# KiCad board RadCheck-SDRAM.kicad_pcb (continued)
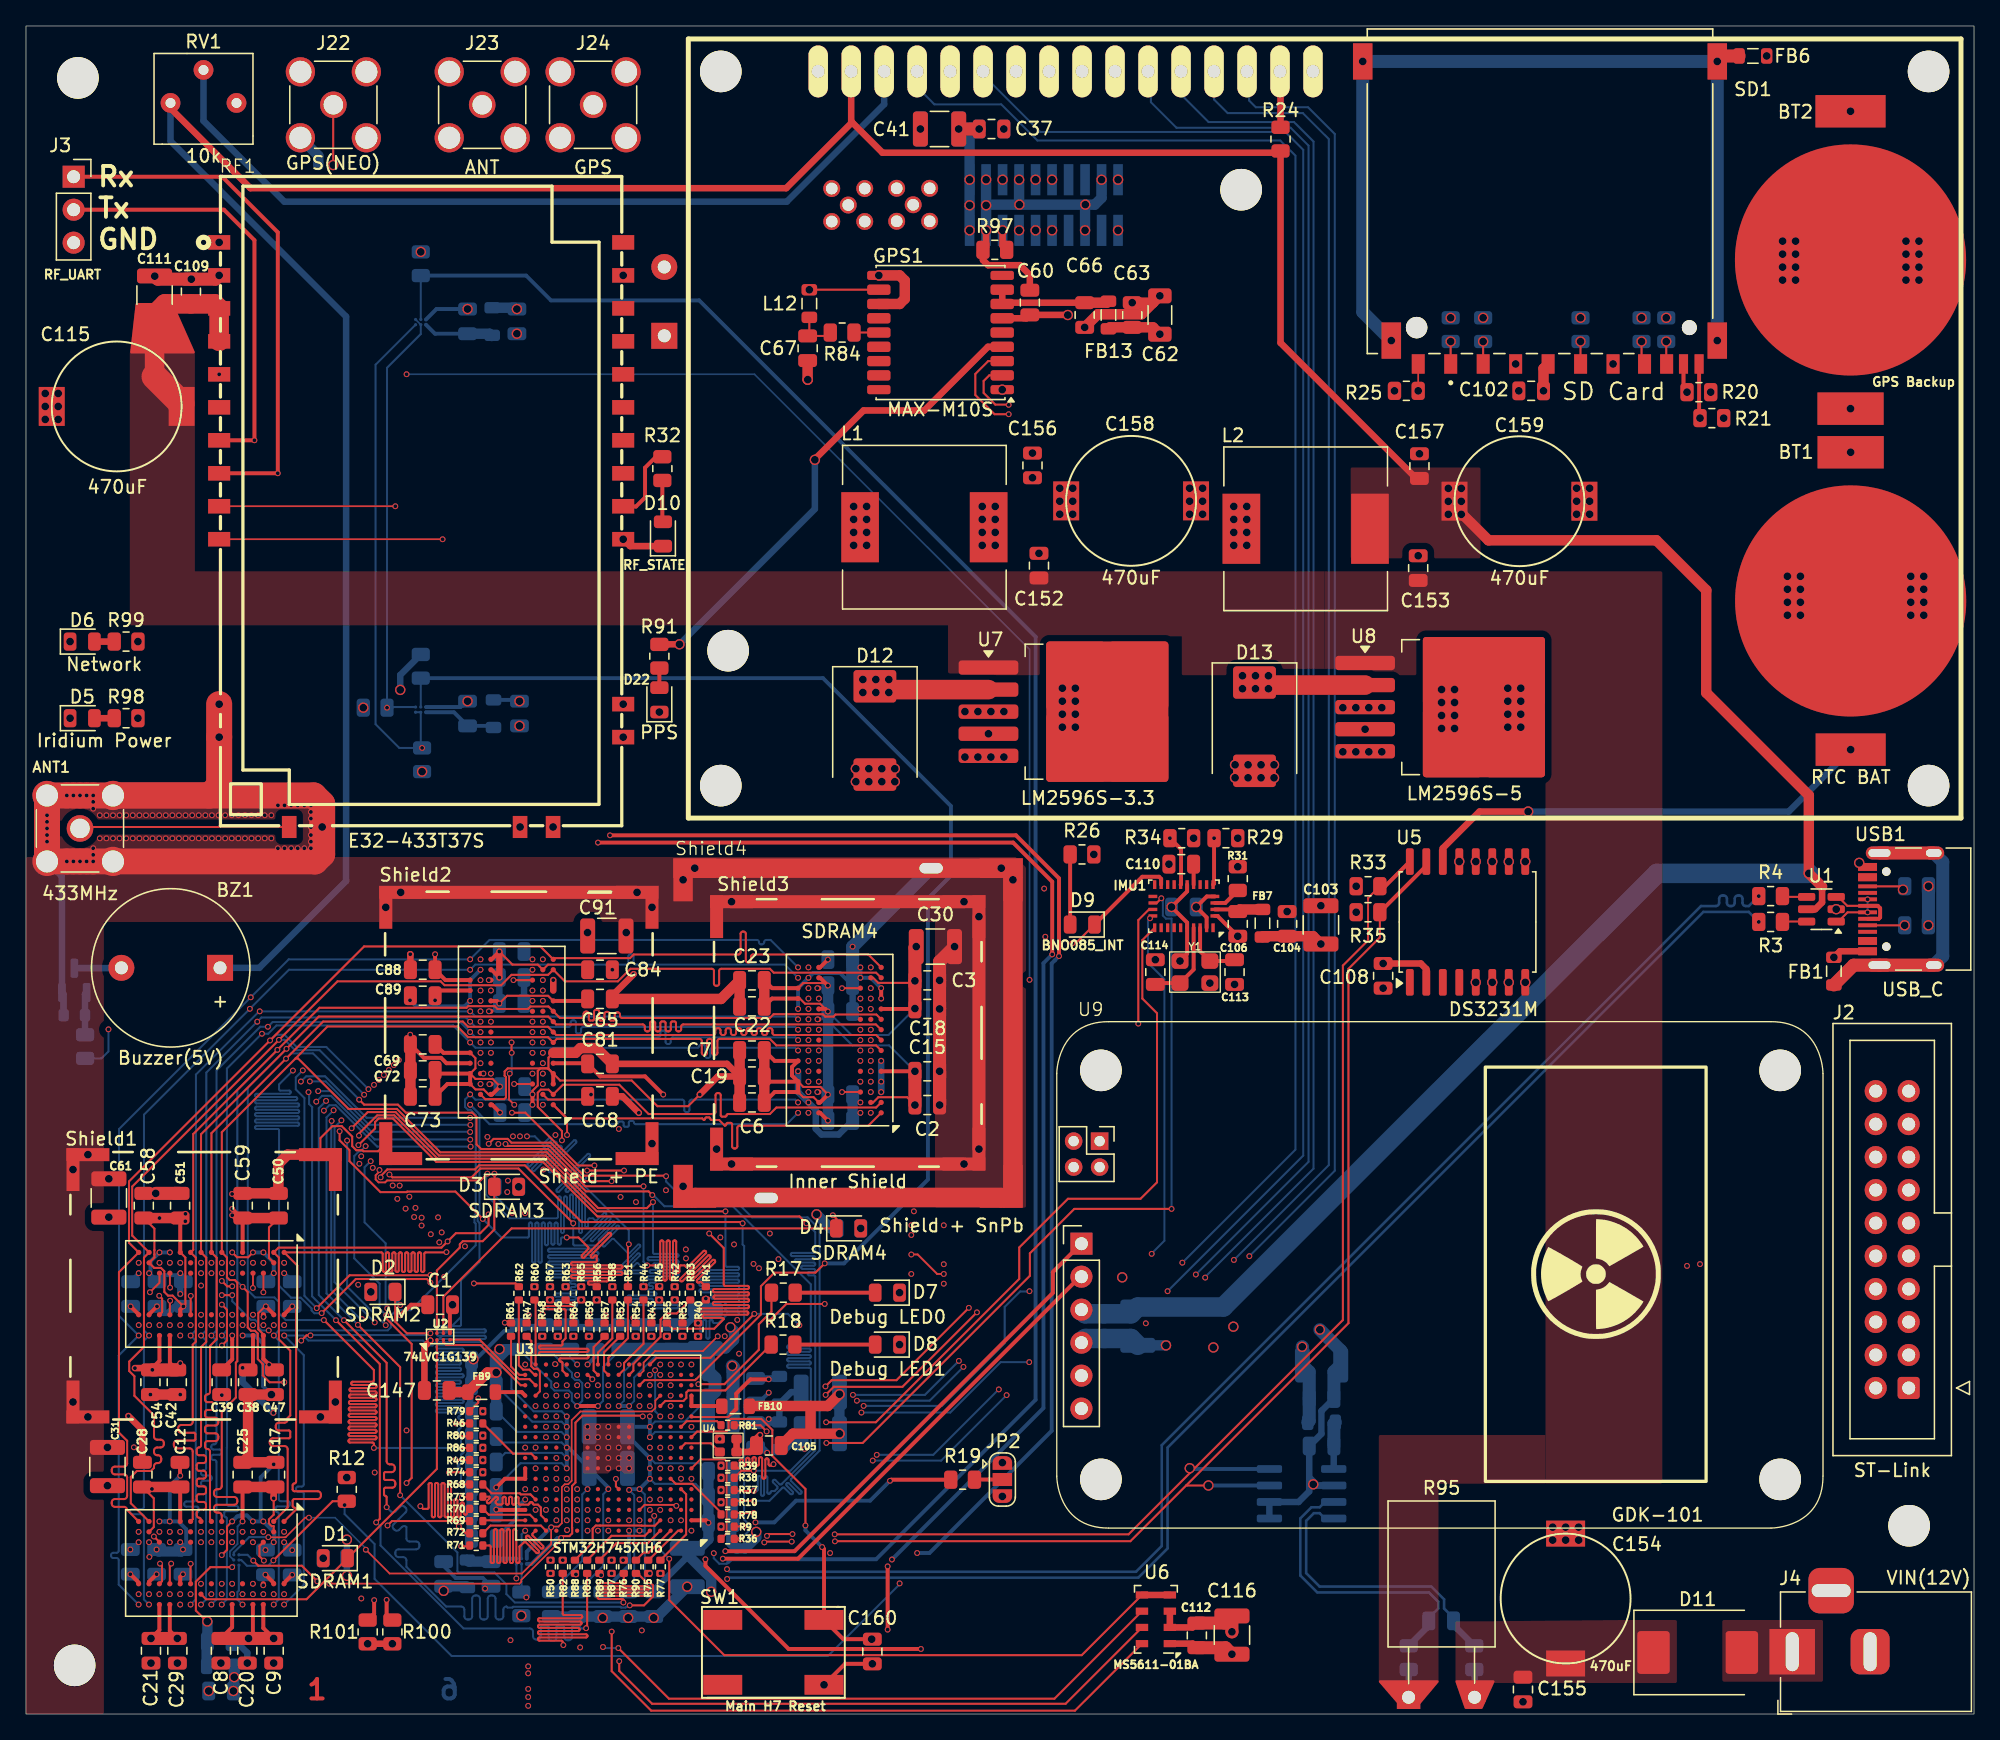
[diagram p0: board, top side]
## Routing (per net, layer and track width the routed paths; a pad name or vN(x,y) marks a point on that pad's centre or on a via; arc(x,y) is an arc through that point) (continued)
SDRAM_D15: length 173.8
  Top w0.157: v1(34.49,33.16) 37.7,33.16 R62.2 ; v1(22.77,30.87) 25.39,33.5 30.87,33.5 v1(31.14,33.23)
  In1.Cu w0.127: 47.2,58.12 v1(39.8,58.12) 39.42,57.74 28.74,57.74 v1(20.56,49.55) 8.68,37.68 v1(8.68,34.75) 8.3,34.37 8.3,33.79 8.52,33.57 8.52,30.33 8.01,29.82 8.01,26.48 8.71,25.79 8.71,21.85 7.68,20.82 ; v1(8.67,14.03) 8.03,14.68 ; v1(65.05,57.5) 64.67,57.88 62.07,57.88 61.91,57.72 60.83,57.72 60.43,58.12 53.99,58.12
  In1.Cu w0.129: 7.68,20.82 7.68,16.11 arc(7.61,15.94) 7.44,15.87 6.04,15.87 arc(5.87,15.8) 5.8,15.63 5.8,15.51 arc(5.87,15.34) 6.04,15.27 7.44,15.27 arc(7.61,15.2) 7.68,15.03 8.03,14.68 ; 47.2,58.12 52.87,58.12 arc(52.98,58.17) 53.03,58.28 53.03,59.35 arc(53.07,59.47) 53.19,59.51 53.27,59.51 arc(53.38,59.47) 53.43,59.35 53.43,57.34 arc(53.47,57.22) 53.59,57.18 53.67,57.18 arc(53.78,57.22) 53.83,57.34 53.83,57.96 arc(53.87,58.07) 53.99,58.12
  In4.Cu w0.129: v1(34.49,33.16) 31.21,33.16 v1(31.14,33.23)
  Bottom w0.157: v1(20.56,49.55) 19.49,48.49 19.49,48.11 arc(19.52,48.04) 19.59,48.01 20.28,48.01 arc(20.35,47.98) 20.38,47.91 20.38,47.86 arc(20.35,47.79) 20.28,47.77 17.74,47.77 arc(17.67,47.74) 17.64,47.67 17.64,47.62 arc(17.67,47.55) 17.74,47.52 20.78,47.52 arc(20.85,47.49) 20.88,47.42 20.88,47.37 arc(20.85,47.3) 20.78,47.27 17.74,47.27 arc(17.67,47.24) 17.64,47.17 17.64,47.12 arc(17.67,47.05) 17.74,47.03 20.93,47.03 arc(21,47) 21.03,46.93 21.03,46.88 arc(21,46.81) 20.93,46.78 17.74,46.78 arc(17.67,46.75) 17.64,46.68 17.64,46.63 arc(17.67,46.56) 17.74,46.53 20.93,46.53 arc(21,46.5) 21.03,46.43 21.03,46.38 arc(21,46.31) 20.93,46.29 17.74,46.29 arc(17.67,46.26) 17.64,46.19 17.64,46.14 arc(17.67,46.07) 17.74,46.04 20.93,46.04 arc(21,46.01) 21.03,45.94 21.03,45.89 arc(21,45.82) 20.93,45.79 17.74,45.79 arc(17.67,45.76) 17.64,45.69 17.64,45.65 arc(17.67,45.58) 17.74,45.55 20.93,45.55 arc(21,45.52) 21.03,45.45 21.03,45.4 arc(21,45.33) 20.93,45.3 17.74,45.3 arc(17.67,45.27) 17.64,45.2 17.64,45.15 arc(17.67,45.08) 17.74,45.05 19.39,45.05 arc(19.46,45.02) 19.49,44.95 19.49,32.99 20.41,32.06 21.16,32.06 21.99,31.23 21.99,31.08 22.21,30.86 22.76,30.86 v1(22.77,30.87)
SDRAM_D16: length 127.6
  In3.Cu w0.142: v1(30.46,37.62) 30.55,37.71 30.85,37.71 arc(30.92,37.74) 30.94,37.8 30.94,38.62 arc(30.97,38.68) 31.04,38.71 31.08,38.71 arc(31.15,38.68) 31.18,38.62 31.18,37.6 arc(31.2,37.54) 31.27,37.51 31.32,37.51 arc(31.38,37.54) 31.41,37.6 31.41,37.62 arc(31.44,37.68) 31.5,37.71 31.83,37.71 arc(31.9,37.74) 31.92,37.8 31.92,37.82 arc(31.95,37.88) 32.02,37.91 32.06,37.91 arc(32.13,37.88) 32.16,37.82 32.16,37.8 arc(32.18,37.74) 32.25,37.71 32.3,37.71 arc(32.36,37.74) 32.39,37.8 32.39,37.92 arc(32.42,37.98) 32.48,38.01 32.53,38.01 arc(32.59,37.98) 32.62,37.92 32.62,37.8 arc(32.65,37.74) 32.72,37.71 32.76,37.71 arc(32.83,37.74) 32.85,37.8 32.85,37.92 arc(32.88,37.98) 32.95,38.01 32.99,38.01 arc(33.06,37.98) 33.09,37.92 33.09,37.8 arc(33.11,37.74) 33.18,37.71 33.23,37.71 arc(33.29,37.74) 33.32,37.8 33.32,37.92 arc(33.35,37.98) 33.41,38.01 33.46,38.01 arc(33.52,37.98) 33.55,37.92 33.55,37.8 arc(33.58,37.74) 33.65,37.71 33.89,37.71 34.09,37.51 arc(34.16,37.48) 34.22,37.51 34.3,37.59 arc(34.37,37.62) 34.43,37.59 34.47,37.56 arc(34.49,37.49) 34.47,37.43 34.39,37.34 arc(34.36,37.28) 34.39,37.21 37.15,34.45 40.01,34.45 v1(41.55,32.91)
  In4.Cu w0.129: v1(60.25,49.5) 59.87,49.88 53.73,49.88 arc(53.62,49.83) 53.57,49.72 53.57,49.32 arc(53.52,49.21) 53.41,49.16 53.33,49.16 arc(53.22,49.21) 53.17,49.32 53.17,50.09 arc(53.12,50.2) 53.01,50.25 52.93,50.25 arc(52.82,50.2) 52.77,50.09 52.77,50.04 arc(52.72,49.93) 52.61,49.88 40.14,49.88 39.98,49.72 35.4,49.72 v1(35,50.12) 33.6,48.72 33.6,40.76 33.42,40.58 arc(33.35,40.55) 33.29,40.58 33.27,40.59 arc(33.21,40.62) 33.15,40.59 33.12,40.56 arc(33.09,40.5) 33.12,40.44 33.35,40.21 arc(33.37,40.15) 33.35,40.08 33.32,40.05 arc(33.26,40.03) 33.19,40.05 32.96,40.28 arc(32.9,40.31) 32.84,40.28 32.81,40.25 arc(32.78,40.19) 32.81,40.13 33.04,39.9 arc(33.06,39.84) 33.04,39.77 33.01,39.74 arc(32.95,39.72) 32.88,39.74 32.65,39.97 arc(32.59,40) 32.53,39.97 32.5,39.94 arc(32.47,39.88) 32.5,39.82 32.73,39.59 arc(32.75,39.53) 32.73,39.46 32.7,39.43 arc(32.64,39.41) 32.57,39.43 32.34,39.66 arc(32.28,39.69) 32.22,39.66 32.19,39.63 arc(32.16,39.57) 32.19,39.51 32.42,39.28 arc(32.44,39.22) 32.42,39.15 32.39,39.12 arc(32.33,39.1) 32.26,39.12 32.03,39.35 arc(31.97,39.38) 31.91,39.35 31.88,39.32 arc(31.85,39.26) 31.88,39.2 32.11,38.97 arc(32.13,38.91) 32.11,38.84 32.08,38.81 arc(32.02,38.79) 31.95,38.81 31.72,39.04 arc(31.66,39.07) 31.6,39.04 31.57,39.01 arc(31.54,38.95) 31.57,38.89 31.59,38.87 arc(31.61,38.81) 31.59,38.75 31.56,38.72 arc(31.49,38.69) 31.43,38.72 31.41,38.73 arc(31.35,38.76) 31.29,38.73 31.26,38.7 arc(31.23,38.64) 31.26,38.58 31.28,38.56 arc(31.3,38.5) 31.28,38.44 31.25,38.41 arc(31.18,38.38) 31.12,38.41 31.1,38.42 arc(31.04,38.45) 30.98,38.42 30.95,38.39 arc(30.92,38.33) 30.95,38.27 31.18,38.04 arc(31.2,37.98) 31.18,37.91 31.15,37.88 arc(31.09,37.86) 31.02,37.88 30.93,37.97 arc(30.87,38) 30.81,37.97 v1(30.46,37.62) 30.26,37.42 arc(30.24,37.36) 30.26,37.3 30.35,37.21 arc(30.38,37.15) 30.35,37.09 30.32,37.05 arc(30.26,37.03) 30.19,37.05 29.97,37.28 arc(29.9,37.31) 29.84,37.28 29.81,37.25 arc(29.78,37.19) 29.81,37.13 30.04,36.9 arc(30.07,36.84) 30.04,36.78 30.01,36.74 arc(29.95,36.72) 29.88,36.74 29.66,36.97 arc(29.59,37) 29.53,36.97 29.5,36.94 arc(29.47,36.88) 29.5,36.82 29.73,36.59 arc(29.76,36.53) 29.73,36.47 29.7,36.43 arc(29.64,36.41) 29.57,36.43 29.35,36.66 arc(29.28,36.69) 29.22,36.66 29.19,36.63 arc(29.16,36.57) 29.19,36.51 29.42,36.28 arc(29.45,36.22) 29.42,36.16 29.39,36.12 arc(29.33,36.1) 29.26,36.12 29.04,36.35 arc(28.97,36.38) 28.91,36.35 28.88,36.32 arc(28.85,36.26) 28.88,36.2 29.11,35.97 arc(29.14,35.91) 29.11,35.85 29.08,35.81 arc(29.02,35.79) 28.95,35.81 28.72,36.04 arc(28.66,36.07) 28.6,36.04 28.57,36.01 arc(28.54,35.95) 28.57,35.89 28.8,35.66 arc(28.83,35.6) 28.8,35.54 28.77,35.5 arc(28.71,35.48) 28.64,35.5 28.41,35.73 arc(28.35,35.76) 28.29,35.73 28.26,35.7 arc(28.23,35.64) 28.26,35.58 28.28,35.56 arc(28.3,35.5) 28.28,35.44 28.06,35.22 27.79,35.22 arc(27.73,35.19) 27.7,35.13 27.7,34.86 arc(27.68,34.8) 27.62,34.77 27.57,34.77 arc(27.51,34.8) 27.48,34.86 27.48,35.58 arc(27.46,35.64) 27.4,35.67 27.35,35.67 arc(27.29,35.64) 27.26,35.58 27.26,34.86 arc(27.24,34.8) 27.18,34.77 27.13,34.77 arc(27.07,34.8) 27.05,34.86 27.05,35.58 arc(27.02,35.64) 26.96,35.67 26.91,35.67 arc(26.85,35.64) 26.83,35.58 26.83,34.86 arc(26.8,34.8) 26.74,34.77 26.69,34.77 arc(26.63,34.8) 26.61,34.86 26.61,35.58 arc(26.58,35.64) 26.52,35.67 26.48,35.67 arc(26.41,35.64) 26.39,35.58 26.39,34.86 arc(26.36,34.8) 26.3,34.77 26.26,34.77 arc(26.19,34.8) 26.17,34.86 26.17,35.58 arc(26.14,35.64) 26.08,35.67 26.04,35.67 arc(25.97,35.64) 25.95,35.58 25.95,34.86 arc(25.92,34.8) 25.86,34.77 25.82,34.77 arc(25.76,34.8) 25.73,34.86 25.73,35.58 arc(25.7,35.64) 25.64,35.67 25.6,35.67 arc(25.54,35.64) 25.51,35.58 25.51,34.86 arc(25.48,34.8) 25.42,34.77 25.38,34.77 arc(25.32,34.8) 25.29,34.86 25.29,35.58 arc(25.27,35.64) 25.2,35.67 25.16,35.67 arc(25.1,35.64) 25.07,35.58 25.07,34.86 arc(25.05,34.8) 24.98,34.77 24.94,34.77 arc(24.88,34.8) 24.85,34.86 24.85,35.58 arc(24.83,35.64) 24.76,35.67 24.72,35.67 arc(24.66,35.64) 24.63,35.58 24.63,34.86 arc(24.61,34.8) 24.55,34.77 24.5,34.77 arc(24.44,34.8) 24.41,34.86 24.41,35.58 arc(24.39,35.64) 24.33,35.67 24.28,35.67 arc(24.22,35.64) 24.19,35.58 24.19,34.86 arc(24.17,34.8) 24.11,34.77 24.06,34.77 arc(24,34.8) 23.98,34.86 23.98,35.58 arc(23.95,35.64) 23.89,35.67 23.84,35.67 arc(23.78,35.64) 23.76,35.58 23.76,34.86 arc(23.73,34.8) 23.67,34.77 23.62,34.77 arc(23.56,34.8) 23.54,34.86 23.54,35.13 arc(23.51,35.19) 23.45,35.22 20.26,35.22 20.13,35.35 18.66,35.35 18.44,35.13 18.12,35.13 17.9,34.91 17.9,34.59 17.09,33.79 17.09,30.36 v1(16.68,29.95) 16.29,29.56 16.29,22.3 arc(16.25,22.18) 16.13,22.14 16.01,22.14 arc(15.9,22.09) 15.85,21.98 15.85,21.9 arc(15.9,21.78) 16.01,21.74 16.58,21.74 arc(16.69,21.69) 16.74,21.58 16.74,21.5 arc(16.69,21.38) 16.58,21.34 16.01,21.34 arc(15.9,21.29) 15.85,21.18 15.85,21.1 arc(15.9,20.98) 16.01,20.94 16.13,20.94 arc(16.25,20.89) 16.29,20.78 16.29,9.61 v1(16.67,9.23)
SDRAM_D17: length 156.6
  Top w0.157: v1(42.14,30.81) 42.14,30.12 ; v1(42.14,37.79) 37.92,42.01 34.99,42.01 34.32,41.34 34.32,41.33 28.21,41.33 v1(27.99,41.55)
  In3.Cu w0.142: v1(17.47,10.03) 17.07,10.44 17.07,15.11 arc(17.02,15.22) 16.91,15.27 16.74,15.27 arc(16.63,15.32) 16.58,15.43 16.58,15.51 arc(16.63,15.62) 16.74,15.67 17.39,15.67 arc(17.51,15.72) 17.55,15.83 17.55,15.91 arc(17.51,16.02) 17.39,16.07 16.74,16.07 arc(16.63,16.12) 16.58,16.23 16.58,16.31 arc(16.63,16.42) 16.74,16.47 17.39,16.47 arc(17.51,16.52) 17.55,16.63 17.55,16.71 arc(17.51,16.82) 17.39,16.87 17.23,16.87 arc(17.11,16.92) 17.07,17.03 17.07,30.34 v1(17.48,30.75) 17.48,31.03 19.49,33.05 19.85,33.05 20.73,33.93 20.73,34.08 27.99,41.33 v1(27.99,41.55) 27.99,42.21 34.69,48.91 35.39,48.91 v1(35.8,49.32) 36.19,48.93 40.76,48.93 40.91,49.09 52.45,49.09 arc(52.56,49.13) 52.61,49.25 52.61,50.15 arc(52.66,50.27) 52.77,50.31 52.85,50.31 arc(52.96,50.27) 53.01,50.15 53.01,48.82 arc(53.06,48.71) 53.17,48.66 53.25,48.66 arc(53.36,48.71) 53.41,48.82 53.41,48.93 arc(53.46,49.04) 53.57,49.09 60.66,49.09 v1(61.05,48.7)
  Bottom w0.157: v1(42.14,37.79) 42.14,36.19 arc(42.17,36.12) 42.24,36.09 43.97,36.09 arc(44.04,36.06) 44.07,35.99 44.07,35.94 arc(44.04,35.87) 43.97,35.84 40.31,35.84 arc(40.24,35.81) 40.21,35.74 40.21,35.69 arc(40.24,35.62) 40.31,35.59 43.97,35.59 arc(44.04,35.57) 44.07,35.5 44.07,35.45 arc(44.04,35.38) 43.97,35.35 40.31,35.35 arc(40.24,35.32) 40.21,35.25 40.21,35.2 arc(40.24,35.13) 40.31,35.1 43.97,35.1 arc(44.04,35.07) 44.07,35 44.07,34.95 arc(44.04,34.88) 43.97,34.85 40.31,34.85 arc(40.24,34.83) 40.21,34.76 40.21,34.71 arc(40.24,34.64) 40.31,34.61 43.97,34.61 arc(44.04,34.58) 44.07,34.51 44.07,34.46 arc(44.04,34.39) 43.97,34.36 40.31,34.36 arc(40.24,34.33) 40.21,34.26 40.21,34.21 arc(40.24,34.14) 40.31,34.12 43.97,34.12 arc(44.04,34.09) 44.07,34.02 44.07,33.97 arc(44.04,33.9) 43.97,33.87 40.31,33.87 arc(40.24,33.84) 40.21,33.77 40.21,33.72 arc(40.24,33.65) 40.31,33.62 43.97,33.62 arc(44.04,33.59) 44.07,33.52 44.07,33.47 arc(44.04,33.4) 43.97,33.38 42.01,33.38 arc(41.94,33.35) 41.91,33.28 41.91,33.23 arc(41.94,33.16) 42.01,33.13 42.24,33.13 arc(42.31,33.1) 42.34,33.03 42.34,32.98 arc(42.31,32.91) 42.24,32.88 42.04,32.88 arc(41.97,32.85) 41.94,32.78 41.94,32.73 arc(41.97,32.67) 42.04,32.64 42.33,32.64 arc(42.4,32.61) 42.43,32.54 42.43,32.49 arc(42.4,32.42) 42.33,32.39 40.8,32.39 arc(40.73,32.36) 40.7,32.29 40.7,32.24 arc(40.73,32.17) 40.8,32.14 42.24,32.14 arc(42.31,32.11) 42.34,32.04 42.34,32 arc(42.31,31.93) 42.24,31.9 40.89,31.9 arc(40.82,31.87) 40.79,31.8 40.79,31.75 arc(40.82,31.68) 40.89,31.65 42.34,31.65 arc(42.41,31.62) 42.44,31.55 42.44,31.5 arc(42.41,31.43) 42.34,31.4 40.29,31.4 arc(40.22,31.37) 40.19,31.31 40.19,31.26 arc(40.22,31.19) 40.29,31.16 42.04,31.16 arc(42.11,31.13) 42.14,31.06 v1(42.14,30.81)
SDRAM_D18: length 160.9
  In3.Cu w0.129: v1(31.73,38.25) 34.1,38.25 34.93,37.42 arc(34.99,37.39) 35.05,37.42 35.68,38.04 arc(35.74,38.07) 35.8,38.04 35.83,38.01 arc(35.86,37.95) 35.83,37.89 35.03,37.08 arc(35,37.02) 35.03,36.96 35.06,36.93 arc(35.12,36.9) 35.18,36.93 36.62,38.37 arc(36.69,38.4) 36.75,38.37 36.78,38.34 arc(36.81,38.28) 36.78,38.22 35.34,36.77 arc(35.31,36.71) 35.34,36.65 35.37,36.62 arc(35.43,36.59) 35.49,36.62 36.93,38.06 arc(37,38.09) 37.06,38.06 37.09,38.03 arc(37.12,37.97) 37.09,37.91 35.65,36.46 arc(35.62,36.4) 35.65,36.34 35.68,36.31 arc(35.74,36.28) 35.8,36.31 37.24,37.75 arc(37.31,37.78) 37.37,37.75 37.4,37.72 arc(37.43,37.66) 37.4,37.59 35.96,36.15 arc(35.93,36.09) 35.96,36.03 35.99,36 arc(36.05,35.97) 36.11,36 37.55,37.44 arc(37.62,37.47) 37.68,37.44 37.71,37.41 arc(37.74,37.35) 37.71,37.28 36.27,35.84 arc(36.24,35.78) 36.27,35.72 36.3,35.69 arc(36.36,35.66) 36.42,35.69 37.3,36.56 arc(37.36,36.59) 37.42,36.56 37.45,36.53 arc(37.48,36.47) 37.45,36.41 36.58,35.53 arc(36.55,35.47) 36.58,35.41 36.61,35.38 arc(36.67,35.35) 36.73,35.38 37.29,35.94 arc(37.35,35.96) 37.42,35.94 37.45,35.9 arc(37.47,35.84) 37.45,35.78 36.89,35.22 arc(36.86,35.16) 36.89,35.1 36.92,35.07 arc(36.98,35.04) 37.04,35.07 37.28,35.31 arc(37.35,35.33) 37.41,35.31 37.44,35.28 arc(37.46,35.21) 37.44,35.15 37.38,35.09 arc(37.35,35.03) 37.38,34.97 37.71,34.97 arc(37.77,35) 37.8,35.06 37.8,36.84 arc(37.82,36.9) 37.89,36.93 37.93,36.93 arc(37.99,36.9) 38.02,36.84 38.02,34.85 arc(38.04,34.79) 38.11,34.76 38.15,34.76 arc(38.21,34.79) 38.24,34.85 38.24,36.84 arc(38.26,36.9) 38.32,36.93 38.37,36.93 arc(38.43,36.9) 38.46,36.84 38.46,34.85 arc(38.48,34.79) 38.54,34.76 38.59,34.76 arc(38.65,34.79) 38.68,34.85 38.68,36.84 arc(38.7,36.9) 38.76,36.93 38.81,36.93 arc(38.87,36.9) 38.89,36.84 38.89,35.06 arc(38.92,35) 38.98,34.97 39.1,34.97
  In3.Cu w0.142: v1(42.75,32.91) 42.49,33.17 arc(42.42,33.2) 42.35,33.17 42.13,32.95 arc(42.07,32.93) 42,32.95 41.97,32.99 arc(41.94,33.05) 41.97,33.12 43.6,34.75 arc(43.63,34.82) 43.6,34.88 43.57,34.92 arc(43.51,34.94) 43.44,34.92 41.84,33.32 arc(41.77,33.29) 41.71,33.32 41.67,33.35 arc(41.65,33.42) 41.67,33.48 43.27,35.08 arc(43.3,35.15) 43.27,35.21 43.24,35.25 arc(43.18,35.27) 43.11,35.25 41.4,33.54 arc(41.34,33.51) 41.27,33.54 41.24,33.57 arc(41.21,33.64) 41.24,33.7 42.95,35.41 arc(42.97,35.48) 42.95,35.54 42.91,35.58 arc(42.85,35.6) 42.78,35.58 41.07,33.87 arc(41.01,33.84) 40.94,33.87 40.91,33.9 arc(40.88,33.97) 40.91,34.03 42.62,35.74 arc(42.64,35.81) 42.62,35.87 42.58,35.9 arc(42.52,35.93) 42.45,35.9 40.75,34.2 arc(40.68,34.17) 40.61,34.2 40.58,34.23 arc(40.55,34.3) 40.58,34.36 40.87,34.65 arc(40.9,34.72) 40.87,34.79 40.69,34.97 40.41,34.97 arc(40.34,34.94) 40.31,34.88 40.31,34.76 arc(40.29,34.7) 40.22,34.67 40.17,34.67 arc(40.11,34.7) 40.08,34.76 40.08,36.88 arc(40.05,36.94) 39.99,36.97 39.94,36.97 arc(39.88,36.94) 39.85,36.88 39.85,34.81 arc(39.82,34.75) 39.76,34.72 39.71,34.72 arc(39.64,34.75) 39.62,34.81 39.62,36.88 arc(39.59,36.94) 39.52,36.97 39.48,36.97 arc(39.41,36.94) 39.38,36.88 39.38,35.06 arc(39.36,35) 39.29,34.97 39.1,34.97
  In4.Cu w0.129: v1(17.47,9.23) 17.09,9.61 17.09,16.59 arc(17.05,16.71) 16.93,16.75 16.81,16.75 arc(16.7,16.8) 16.65,16.91 16.65,16.99 arc(16.7,17.11) 16.81,17.15 17.38,17.15 arc(17.49,17.2) 17.54,17.31 17.54,17.39 arc(17.49,17.51) 17.38,17.55 16.81,17.55 arc(16.7,17.6) 16.65,17.71 16.65,17.79 arc(16.7,17.91) 16.81,17.95 16.93,17.95 arc(17.05,18) 17.09,18.11 17.09,29.56 v1(17.48,29.95) 17.86,30.33 17.86,33.58 18.83,34.55 19.54,34.55 19.5,34.59 19.5,34.91 19.72,35.13 20.04,35.13 20.26,34.91 20.26,34.59 20.22,34.55 28.14,34.55 31.73,38.14 v1(31.73,38.25) 31.84,38.25 33.82,40.23 33.82,47.92 v1(35.22,49.33) 35.65,48.9 60.05,48.9 v1(60.25,48.7)
SDRAM_D19: length 160.5
  Top w0.157: v1(40.91,30.51) 40.91,30.15
  In3.Cu w0.142: v1(32.2,33.67) 33.06,33.67 arc(33.12,33.7) 33.15,33.76 33.15,35.07 arc(33.18,35.14) 33.24,35.16 33.29,35.16 arc(33.35,35.14) 33.38,35.07 33.38,31.77 arc(33.41,31.7) 33.47,31.68 33.52,31.68 arc(33.59,31.7) 33.61,31.77 33.61,35.52 arc(33.64,35.59) 33.71,35.61 33.75,35.61 arc(33.82,35.59) 33.85,35.52 33.85,31.77 arc(33.87,31.7) 33.94,31.68 33.99,31.68 arc(34.05,31.7) 34.08,31.77 34.08,35.57 arc(34.11,35.64) 34.17,35.66 34.22,35.66 arc(34.28,35.64) 34.31,35.57 34.31,33.76 arc(34.34,33.7) 34.41,33.67 34.45,33.67 arc(34.52,33.7) 34.54,33.76 34.54,35.57 arc(34.57,35.64) 34.64,35.66 34.68,35.66 arc(34.75,35.64) 34.78,35.57 34.78,33.47 arc(34.8,33.4) 34.87,33.38 34.92,33.38 arc(34.98,33.4) 35.01,33.47 35.01,35.27 arc(35.04,35.34) 35.1,35.36 35.15,35.36 arc(35.21,35.34) 35.24,35.27 35.24,33.37 arc(35.27,33.3) 35.33,33.28 35.38,33.28 arc(35.45,33.3) 35.47,33.37 35.47,33.58 arc(35.5,33.64) 35.57,33.67 35.85,33.67 35.98,33.54 arc(36,33.48) 35.98,33.41 34.7,32.13 arc(34.67,32.07) 34.7,32 34.73,31.97 arc(34.8,31.94) 34.86,31.97 36.63,33.74 arc(36.7,33.77) 36.76,33.74 36.8,33.71 arc(36.82,33.64) 36.8,33.57 35.03,31.8 arc(35,31.74) 35.03,31.67 35.06,31.64 arc(35.13,31.61) 35.19,31.64 37.17,33.62 arc(37.24,33.65) 37.3,33.62 37.34,33.59 arc(37.36,33.52) 37.34,33.46 35.36,31.48 arc(35.33,31.41) 35.36,31.34 35.39,31.31 arc(35.45,31.28) 35.52,31.31 36.8,32.59 arc(36.86,32.62) 36.93,32.59 37.13,32.39 37.37,32.39 arc(37.44,32.36) 37.46,32.3 37.46,30.49 arc(37.49,30.42) 37.56,30.4 37.6,30.4 arc(37.67,30.42) 37.7,30.49 37.7,33.59 arc(37.72,33.66) 37.79,33.68 37.84,33.68 arc(37.9,33.66) 37.93,33.59 37.93,30.49 arc(37.96,30.42) 38.02,30.4 38.07,30.4 arc(38.13,30.42) 38.16,30.49 38.16,33.59 arc(38.19,33.66) 38.25,33.68 38.3,33.68 arc(38.37,33.66) 38.39,33.59 38.39,31.19 arc(38.42,31.12) 38.49,31.1 38.53,31.1 arc(38.6,31.12) 38.63,31.19 38.63,32.59 arc(38.65,32.66) 38.72,32.68 38.77,32.68 arc(38.83,32.66) 38.86,32.59 38.86,31.19 arc(38.89,31.12) 38.95,31.1 39,31.1 arc(39.06,31.12) 39.09,31.19 39.09,32.3 arc(39.12,32.36) 39.18,32.39 39.23,32.39 arc(39.3,32.36) 39.32,32.3 39.32,31.19 arc(39.35,31.12) 39.42,31.1 39.46,31.1 arc(39.53,31.12) 39.56,31.19 39.56,33.09 arc(39.58,33.16) 39.65,33.18 39.7,33.18 arc(39.76,33.16) 39.79,33.09 39.79,32.14 arc(39.82,32.07) 39.88,32.05 39.93,32.05 arc(39.99,32.07) 40.02,32.14 40.02,32.3 arc(40.05,32.36) 40.11,32.39 40.4,32.39 40.91,31.88 40.91,31.63 arc(40.94,31.57) 41,31.54 42.41,31.54 arc(42.48,31.51) 42.5,31.45 42.5,31.4 arc(42.48,31.33) 42.41,31.31 40.71,31.31 arc(40.64,31.28) 40.61,31.21 40.61,31.17 arc(40.64,31.1) 40.71,31.07 40.81,31.07 arc(40.88,31.05) 40.91,30.98 v1(40.91,30.51)
  Bottom w0.157: v1(59.45,47.1) 59.24,47.31 51.25,47.31 arc(51.13,47.27) 51.09,47.15 51.09,46.52 arc(51.04,46.4) 50.93,46.36 50.85,46.36 arc(50.73,46.4) 50.69,46.52 50.69,47.15 arc(50.64,47.27) 50.53,47.31 34.61,47.31 v1(34.2,47.72) 33.81,47.33 33.81,46.76 34.04,46.53 34.24,46.53 34.63,46.14 34.63,38.49 34.53,38.39 34.53,37.86 34.63,37.77 34.63,36.1 v1(32.2,33.67) 29.63,31.1 28.52,31.1 28.13,30.71 28.13,30.54 28.09,30.5 28.09,29.78 27.86,29.55 19.48,29.55 v1(19.08,29.15) 19.47,28.76 19.47,16.55 arc(19.51,16.44) 19.63,16.39 20.17,16.39 arc(20.29,16.34) 20.33,16.23 20.33,16.15 arc(20.29,16.04) 20.17,15.99 19.35,15.99 arc(19.26,15.95) 19.23,15.87 19.23,15.67 arc(19.26,15.58) 19.35,15.55 arc(19.43,15.51) 19.47,15.43 19.47,8.83 v1(19.07,8.43)
SDRAM_D20: length 136.2
  In3.Cu w0.142: v1(40.35,32.91) 40.18,33.08 arc(40.15,33.15) 40.18,33.21 40.47,33.51 arc(40.5,33.57) 40.47,33.64 40.44,33.67 arc(40.37,33.7) 40.31,33.67 40.01,33.38 arc(39.95,33.35) 39.88,33.38 39.85,33.41 arc(39.82,33.48) 39.85,33.54 40.14,33.83 arc(40.17,33.9) 40.14,33.97 40.11,34 arc(40.04,34.03) 39.98,34 39.33,33.35 arc(39.27,33.32) 39.2,33.35 39.17,33.38 arc(39.14,33.45) 39.17,33.52 39.39,33.74 arc(39.42,33.8) 39.39,33.87 39.31,33.95 39.03,33.95 arc(38.96,33.92) 38.93,33.86 38.93,33.74 arc(38.91,33.68) 38.84,33.65 38.8,33.65 arc(38.73,33.68) 38.7,33.74 38.7,34.11 arc(38.67,34.17) 38.61,34.2 38.56,34.2 arc(38.5,34.17) 38.47,34.11 38.47,34.04 arc(38.44,33.98) 38.38,33.95 38.33,33.95 arc(38.26,33.98) 38.24,34.04 38.24,34.11 arc(38.21,34.17) 38.14,34.2 38.1,34.2 arc(38.03,34.17) 38,34.11 38,34.04 arc(37.98,33.98) 37.91,33.95 37.86,33.95 arc(37.8,33.98) 37.77,34.04 37.77,34.11 arc(37.74,34.17) 37.68,34.2 37.63,34.2 arc(37.57,34.17) 37.54,34.11 37.54,34.04 arc(37.51,33.98) 37.45,33.95 37.4,33.95 arc(37.33,33.98) 37.31,34.04 37.31,34.11 arc(37.28,34.17) 37.21,34.2 37.17,34.2 arc(37.1,34.17) 37.07,34.11 37.07,34.04 arc(37.05,33.98) 36.98,33.95 36.92,33.95 36.72,34.15 arc(36.65,34.18) 36.59,34.15 36.23,33.79 arc(36.16,33.76) 36.09,33.79 36.06,33.82 arc(36.03,33.88) 36.06,33.95 36.6,34.49 arc(36.63,34.56) 36.6,34.62 36.57,34.66 arc(36.5,34.68) 36.44,34.66 35.72,33.94 arc(35.65,33.91) 35.59,33.94 35.56,33.97 arc(35.53,34.04) 35.56,34.1 36.27,34.82 arc(36.3,34.89) 36.27,34.95 36.24,34.98 arc(36.17,35.01) 36.11,34.98 35.67,34.55 arc(35.61,34.52) 35.54,34.55 35.51,34.58 arc(35.48,34.65) 35.51,34.71 35.94,35.15 arc(35.97,35.21) 35.94,35.28 35.91,35.31 arc(35.84,35.34) 35.78,35.31 35.73,35.27 arc(35.67,35.24) 35.6,35.27 35.57,35.3 arc(35.54,35.37) 35.57,35.43 35.61,35.48 arc(35.64,35.54) 35.61,35.61 35.58,35.64 arc(35.52,35.67) 35.45,35.64 35.41,35.6 arc(35.34,35.57) 35.27,35.6 35.24,35.63 arc(35.21,35.7) 35.24,35.76 35.29,35.81 arc(35.31,35.87) 35.29,35.94 35.25,35.97 arc(35.19,36) 35.12,35.97 35.08,35.93 arc(35.01,35.9) 34.94,35.93 34.91,35.96 arc(34.88,36.02) 34.91,36.09 34.96,36.13 arc(34.98,36.2) 34.96,36.27 34.92,36.3 arc(34.86,36.33) 34.79,36.3 34.43,35.94 arc(34.36,35.91) 34.3,35.94 34.26,35.97 arc(34.24,36.03) 34.26,36.1 34.63,36.46 arc(34.66,36.53) 34.63,36.6 34.6,36.63 arc(34.53,36.66) 34.46,36.63 34.17,36.34 arc(34.11,36.31) 34.04,36.34 34.01,36.37 arc(33.98,36.43) 34.01,36.5 34.3,36.79 arc(34.33,36.86) 34.3,36.92 34.27,36.96 arc(34.2,36.98) 34.14,36.96 33.28,36.1 arc(33.21,36.07) 33.15,36.1 33.11,36.13 arc(33.08,36.2) 33.11,36.26 33.97,37.12 arc(34,37.19) 33.97,37.25 33.94,37.29 arc(33.87,37.31) 33.81,37.29 33.76,37.24 arc(33.7,37.21) 33.63,37.24 33.39,37.48 33.11,37.48 arc(33.05,37.45) 33.02,37.38 33.02,36.67 arc(32.99,36.6) 32.93,36.58 32.88,36.58 arc(32.81,36.6) 32.79,36.67 32.79,37.38 arc(32.76,37.45) 32.69,37.48 32.65,37.48 arc(32.58,37.45) 32.55,37.38 32.55,37.37 arc(32.53,37.3) 32.46,37.28 32.41,37.28 arc(32.35,37.3) 32.32,37.37 32.32,37.38 arc(32.29,37.45) 32.23,37.48 31.7,37.48 v1(31.17,36.95)
  In4.Cu w0.129: v1(60.25,47.9) 60.05,48.1 50.75,48.1 arc(50.63,48.05) 50.59,47.94 50.59,47.43 arc(50.54,47.32) 50.43,47.27 50.35,47.27 arc(50.23,47.32) 50.19,47.43 50.19,48.2 arc(50.16,48.27) 50.09,48.3 49.83,48.3 arc(49.75,48.27) 49.73,48.2 arc(49.7,48.13) 49.63,48.1 38.84,48.1 38.64,47.9 35.76,47.9 35.14,48.52 v1(35,48.52) 34.62,48.14 34.62,43.43 arc(34.59,43.36) 34.53,43.34 34.41,43.34 arc(34.35,43.31) 34.32,43.25 34.32,43.21 arc(34.35,43.15) 34.41,43.12 34.53,43.12 arc(34.59,43.09) 34.62,43.03 34.62,42.99 arc(34.59,42.93) 34.53,42.9 34.16,42.9 arc(34.1,42.87) 34.07,42.81 34.07,42.77 arc(34.1,42.71) 34.16,42.68 34.53,42.68 arc(34.59,42.66) 34.62,42.59 34.62,42.55 arc(34.59,42.49) 34.53,42.46 34.16,42.46 arc(34.1,42.44) 34.07,42.37 34.07,42.33 arc(34.1,42.27) 34.16,42.24 34.53,42.24 arc(34.59,42.22) 34.62,42.15 34.62,42.11 arc(34.59,42.05) 34.53,42.02 34.16,42.02 arc(34.1,42) 34.07,41.94 34.07,41.89 arc(34.1,41.83) 34.16,41.8 34.53,41.8 arc(34.59,41.78) 34.62,41.72 34.62,41.67 arc(34.59,41.61) 34.53,41.58 34.16,41.58 arc(34.1,41.56) 34.07,41.5 34.07,41.45 arc(34.1,41.39) 34.16,41.37 34.53,41.37 arc(34.59,41.34) 34.62,41.28 34.62,41.23 arc(34.59,41.17) 34.53,41.15 34.16,41.15 arc(34.1,41.12) 34.07,41.06 34.07,41.01 arc(34.1,40.95) 34.16,40.93 34.53,40.93 arc(34.59,40.9) 34.62,40.84 34.62,40.8 arc(34.59,40.73) 34.53,40.71 34.16,40.71 arc(34.1,40.68) 34.07,40.62 34.07,40.58 arc(34.1,40.51) 34.16,40.49 34.53,40.49 arc(34.59,40.46) 34.62,40.4 33.95,39.73 arc(33.92,39.67) 33.95,39.6 34,39.55 arc(34.03,39.49) 34,39.43 33.97,39.4 arc(33.91,39.37) 33.85,39.4 33.65,39.59 arc(33.59,39.62) 33.53,39.59 33.5,39.56 arc(33.47,39.5) 33.5,39.44 33.69,39.24 arc(33.72,39.18) 33.69,39.12 33.66,39.09 arc(33.6,39.06) 33.54,39.09 33.34,39.28 arc(33.28,39.31) 33.22,39.28 33.19,39.25 arc(33.16,39.19) 33.19,39.13 33.38,38.93 arc(33.41,38.87) 33.38,38.81 33.35,38.78 arc(33.29,38.75) 33.23,38.78 33.03,38.97 arc(32.97,39) 32.91,38.97 32.88,38.94 arc(32.85,38.88) 32.88,38.82 33.07,38.62 arc(33.1,38.56) 33.07,38.5 33.04,38.47 arc(32.98,38.44) 32.92,38.47 32.72,38.66 arc(32.66,38.69) 32.6,38.66 32.57,38.63 arc(32.54,38.57) 32.57,38.51 32.76,38.31 arc(32.79,38.25) 32.76,38.19 32.73,38.16 arc(32.67,38.13) 32.61,38.16 32.41,38.35 arc(32.35,38.38) 32.29,38.35 32.26,38.32 arc(32.23,38.26) 32.26,38.2 32.45,38 arc(32.48,37.94) 32.45,37.88 32.42,37.85 arc(32.36,37.82) 32.3,37.85 32.24,37.9 arc(32.18,37.92) 32.12,37.9 32.09,37.87 arc(32.06,37.81) 32.09,37.74 32.14,37.69 arc(32.17,37.63) 32.14,37.57 32.11,37.54 arc(32.05,37.51) 31.99,37.54 31.79,37.73 arc(31.73,37.76) 31.67,37.73 31.64,37.7 arc(31.61,37.64) 31.64,37.58 31.65,37.56 arc(31.68,37.5) 31.65,37.43 31.62,37.4 arc(31.56,37.38) 31.5,37.4 31.48,37.42 arc(31.42,37.45) 31.36,37.42 31.33,37.39 arc(31.3,37.33) 31.33,37.26 31.34,37.25 arc(31.37,37.19) 31.34,37.12 v1(31.17,36.95) 30.79,36.57 arc(30.77,36.51) 30.79,36.45 30.85,36.4 arc(30.87,36.34) 30.85,36.27 30.82,36.24 arc(30.75,36.22) 30.69,36.24 30.5,36.44 arc(30.44,36.46) 30.37,36.44 30.34,36.41 arc(30.32,36.34) 30.34,36.28 30.54,36.09 arc(30.56,36.03) 30.54,35.96 30.51,35.93 arc(30.44,35.91) 30.38,35.93 30.19,36.13 arc(30.13,36.15) 30.06,36.13 30.03,36.1 arc(30.01,36.03) 30.03,35.97 30.23,35.78 arc(30.25,35.72) 30.23,35.65 30.2,35.62 arc(30.13,35.6) 30.07,35.62 29.88,35.82 arc(29.82,35.84) 29.75,35.82 29.72,35.79 arc(29.7,35.72) 29.72,35.66 29.92,35.47 arc(29.94,35.4) 29.92,35.34 29.89,35.31 arc(29.82,35.29) 29.76,35.31 29.57,35.51 arc(29.51,35.53) 29.44,35.51 29.41,35.48 arc(29.39,35.41) 29.41,35.35 29.61,35.16 arc(29.63,35.09) 29.61,35.03 29.58,35 arc(29.51,34.98) 29.45,35 29.26,35.2 arc(29.2,35.22) 29.13,35.2 29.1,35.16 arc(29.08,35.1) 29.1,35.04 29.3,34.85 arc(29.32,34.78) 29.3,34.72 29.27,34.69 arc(29.2,34.67) 29.14,34.69 28.95,34.89 arc(28.88,34.91) 28.82,34.89 28.79,34.85 arc(28.77,34.79) 28.79,34.73 28.99,34.54 arc(29.01,34.47) 28.99,34.41 28.96,34.38 arc(28.89,34.36) 28.83,34.38 28.78,34.43 arc(28.72,34.46) 28.65,34.43 28.55,34.33 28.31,34.33 arc(28.25,34.3) 28.22,34.24 28.22,33.67 arc(28.2,33.61) 28.13,33.58 28.09,33.58 arc(28.03,33.61) 28,33.67 28,34.24 arc(27.98,34.3) 27.91,34.33 27.87,34.33 arc(27.81,34.3) 27.78,34.24 27.78,33.22 arc(27.76,33.16) 27.69,33.13 27.65,33.13 arc(27.59,33.16) 27.56,33.22 27.56,34.24 arc(27.54,34.3) 27.48,34.33 25.61,34.33 arc(25.55,34.3) 25.52,34.24 25.52,33.52 arc(25.49,33.46) 25.43,33.43 25.39,33.43 arc(25.33,33.46) 25.3,33.52 25.3,34.24 arc(25.27,34.3) 25.21,34.33 25.17,34.33 arc(25.11,34.3) 25.08,34.24 25.08,32.42 arc(25.06,32.36) 24.99,32.33 24.95,32.33 arc(24.89,32.36) 24.86,32.42 24.86,34.24 arc(24.84,34.3) 24.77,34.33 18.92,34.33 18.7,34.11 18.7,33.79 18.85,33.64 18.85,30.52 v1(18.28,29.95) 17.89,29.56 17.89,20.06 arc(17.94,19.95) 18.05,19.9 18.58,19.9 arc(18.7,19.85) 18.74,19.74 18.74,19.66 arc(18.7,19.55) 18.58,19.5 17.65,19.5 arc(17.53,19.45) 17.49,19.34 17.49,19.26 arc(17.53,19.15) 17.65,19.1 17.73,19.1 arc(17.84,19.05) 17.89,18.94 17.89,9.62 v1(18.27,9.23)
SDRAM_D21: length 160.7
  Top w0.157: v1(33.5,17.69) 34.15,17.69
  Bottom w0.157: 33.5,30.78 33.5,30.58 31.3,28.39 30.94,28.39 30.57,28.76 21.74,28.76 21.36,29.15 v1(19.88,29.15) 21.39,27.64 21.39,17.68 arc(21.35,17.57) 21.23,17.52 20.96,17.52 arc(20.84,17.47) 20.8,17.36 20.8,17.28 arc(20.84,17.17) 20.96,17.12 21.23,17.12 arc(21.35,17.07) 21.39,16.96 21.39,9.95 v1(19.87,8.43) ; 33.5,30.78 33.5,33.39 34.92,34.82 34.92,37.82 34.78,37.97 34.78,38.29 34.92,38.43 34.92,46.2 v1(34.2,46.92) 35.69,45.43 45.49,45.43 arc(45.57,45.46) 45.59,45.53 arc(45.62,45.6) 45.69,45.63 45.92,45.63 arc(45.99,45.6) 46.02,45.53 46.02,45.33 arc(46.05,45.26) 46.12,45.23 46.32,45.23 arc(46.39,45.26) 46.42,45.33 46.42,45.55 arc(46.46,45.63) 46.54,45.67 46.7,45.67 arc(46.78,45.63) 46.82,45.55 arc(46.86,45.46) 46.94,45.43 58.58,45.43 v1(59.45,46.3) ; 33.5,30.78 33.5,29.97 arc(33.47,29.9) 33.4,29.87 31.68,29.87 arc(31.61,29.84) 31.58,29.77 31.58,29.73 arc(31.61,29.66) 31.68,29.63 35.31,29.63 arc(35.38,29.6) 35.41,29.53 35.41,29.48 arc(35.38,29.41) 35.31,29.38 31.73,29.38 arc(31.66,29.35) 31.63,29.28 31.63,29.23 arc(31.66,29.16) 31.73,29.13 35.31,29.13 arc(35.38,29.11) 35.41,29.04 35.41,28.99 arc(35.38,28.92) 35.31,28.89 31.73,28.89 arc(31.66,28.86) 31.63,28.79 31.63,28.74 arc(31.66,28.67) 31.73,28.64 35.11,28.64 arc(35.18,28.61) 35.21,28.54 35.21,28.49 arc(35.18,28.42) 35.11,28.39 31.68,28.39 arc(31.61,28.37) 31.58,28.3 31.58,28.25 arc(31.61,28.18) 31.68,28.15 33.6,28.15 arc(33.67,28.12) 33.7,28.05 33.7,28 arc(33.67,27.93) 33.6,27.9 31.67,27.9 arc(31.6,27.87) 31.57,27.8 31.57,27.75 arc(31.6,27.68) 31.67,27.66 33.4,27.66 arc(33.47,27.63) 33.5,27.56 33.5,27.51 arc(33.47,27.44) 33.4,27.41 31.67,27.41 arc(31.6,27.38) 31.57,27.31 31.57,27.26 arc(31.6,27.19) 31.67,27.16 33.4,27.16 arc(33.47,27.13) 33.5,27.06 33.5,27.01 arc(33.47,26.94) 33.4,26.92 31.67,26.92 arc(31.6,26.89) 31.57,26.82 31.57,26.77 arc(31.6,26.7) 31.67,26.67 33.4,26.67 arc(33.47,26.64) 33.5,26.57 33.5,26.52 arc(33.47,26.45) 33.4,26.42 31.67,26.42 arc(31.6,26.39) 31.57,26.32 31.57,26.27 arc(31.6,26.2) 31.67,26.18 33.6,26.18 arc(33.67,26.15) 33.7,26.08 33.7,26.03 arc(33.67,25.96) 33.6,25.93 31.67,25.93 arc(31.6,25.9) 31.57,25.83 31.57,25.78 arc(31.6,25.71) 31.67,25.68 33.4,25.68 arc(33.47,25.65) 33.5,25.58 33.5,25.54 arc(33.47,25.47) 33.4,25.44 31.67,25.44 arc(31.6,25.41) 31.57,25.34 31.57,25.29 arc(31.6,25.22) 31.67,25.19 33.4,25.19 arc(33.47,25.16) 33.5,25.09 33.5,25.04 arc(33.47,24.97) 33.4,24.94 31.67,24.94 arc(31.6,24.91) 31.57,24.84 31.57,24.8 arc(31.6,24.73) 31.67,24.7 33.4,24.7 arc(33.47,24.67) 33.5,24.6 33.5,24.55 arc(33.47,24.48) 33.4,24.45 31.67,24.45 arc(31.6,24.42) 31.57,24.35 31.57,24.3 arc(31.6,24.23) 31.67,24.2 33.6,24.2 arc(33.67,24.18) 33.7,24.11 33.7,24.06 arc(33.67,23.99) 33.6,23.96 31.66,23.96 arc(31.59,23.93) 31.56,23.86 31.56,23.81 arc(31.59,23.74) 31.66,23.71 33.4,23.71 arc(33.47,23.68) 33.5,23.61 33.5,23.56 arc(33.47,23.49) 33.4,23.46 31.66,23.46 arc(31.59,23.44) 31.56,23.37 31.56,23.32 arc(31.59,23.25) 31.66,23.22 33.4,23.22 arc(33.47,23.19) 33.5,23.12 33.5,23.07 arc(33.47,23) 33.4,22.97 33.39,22.97 arc(33.32,22.94) 33.3,22.87 33.3,22.82 arc(33.32,22.75) 33.39,22.73 33.4,22.73 arc(33.47,22.7) 33.5,22.63 33.5,22.58 arc(33.52,22.51) 33.59,22.48 33.6,22.48 arc(33.67,22.45) 33.7,22.38 33.7,22.33 arc(33.67,22.26) 33.6,22.23 33.59,22.23 arc(33.52,22.2) 33.5,22.13 33.5,22.08 arc(33.47,22.01) 33.4,21.99 33.39,21.99 arc(33.32,21.96) 33.3,21.89 33.3,21.84 arc(33.32,21.77) 33.39,21.74 33.4,21.74 arc(33.47,21.71) 33.5,21.64 33.5,20.41 arc(33.52,20.34) 33.59,20.31 33.6,20.31 arc(33.67,20.28) 33.7,20.21 33.7,20.16 arc(33.67,20.09) 33.6,20.06 33.59,20.06 arc(33.52,20.03) 33.5,19.96 33.5,19.32 arc(33.47,19.25) 33.4,19.22 33.35,19.22 arc(33.28,19.19) 33.26,19.12 33.26,19.07 arc(33.28,19) 33.35,18.97 33.4,18.97 arc(33.47,18.95) 33.5,18.88 v1(33.5,17.69)